# Altium PCB spd150.PcbDoc (part 16 of 16)
Units mm, origin at the board's own origin, x right, y up, seen from the top; angles counter-clockwise.
Board outline 217.35 x 147.5 mm, 10 copper layers (TOP, LYR2-PLN, LYR3-SIG, LYR4-SIG, LYR5-PLN, LYR6-PLN, LYR7-SIG, LYR8-SIG, LYR9-PLN, BOTTOM), stack 2.134 mm thick; 1065 components, 972 nets, 4226 pads, 2810 vias.
Unrouted connection lines stored in the file: 16.
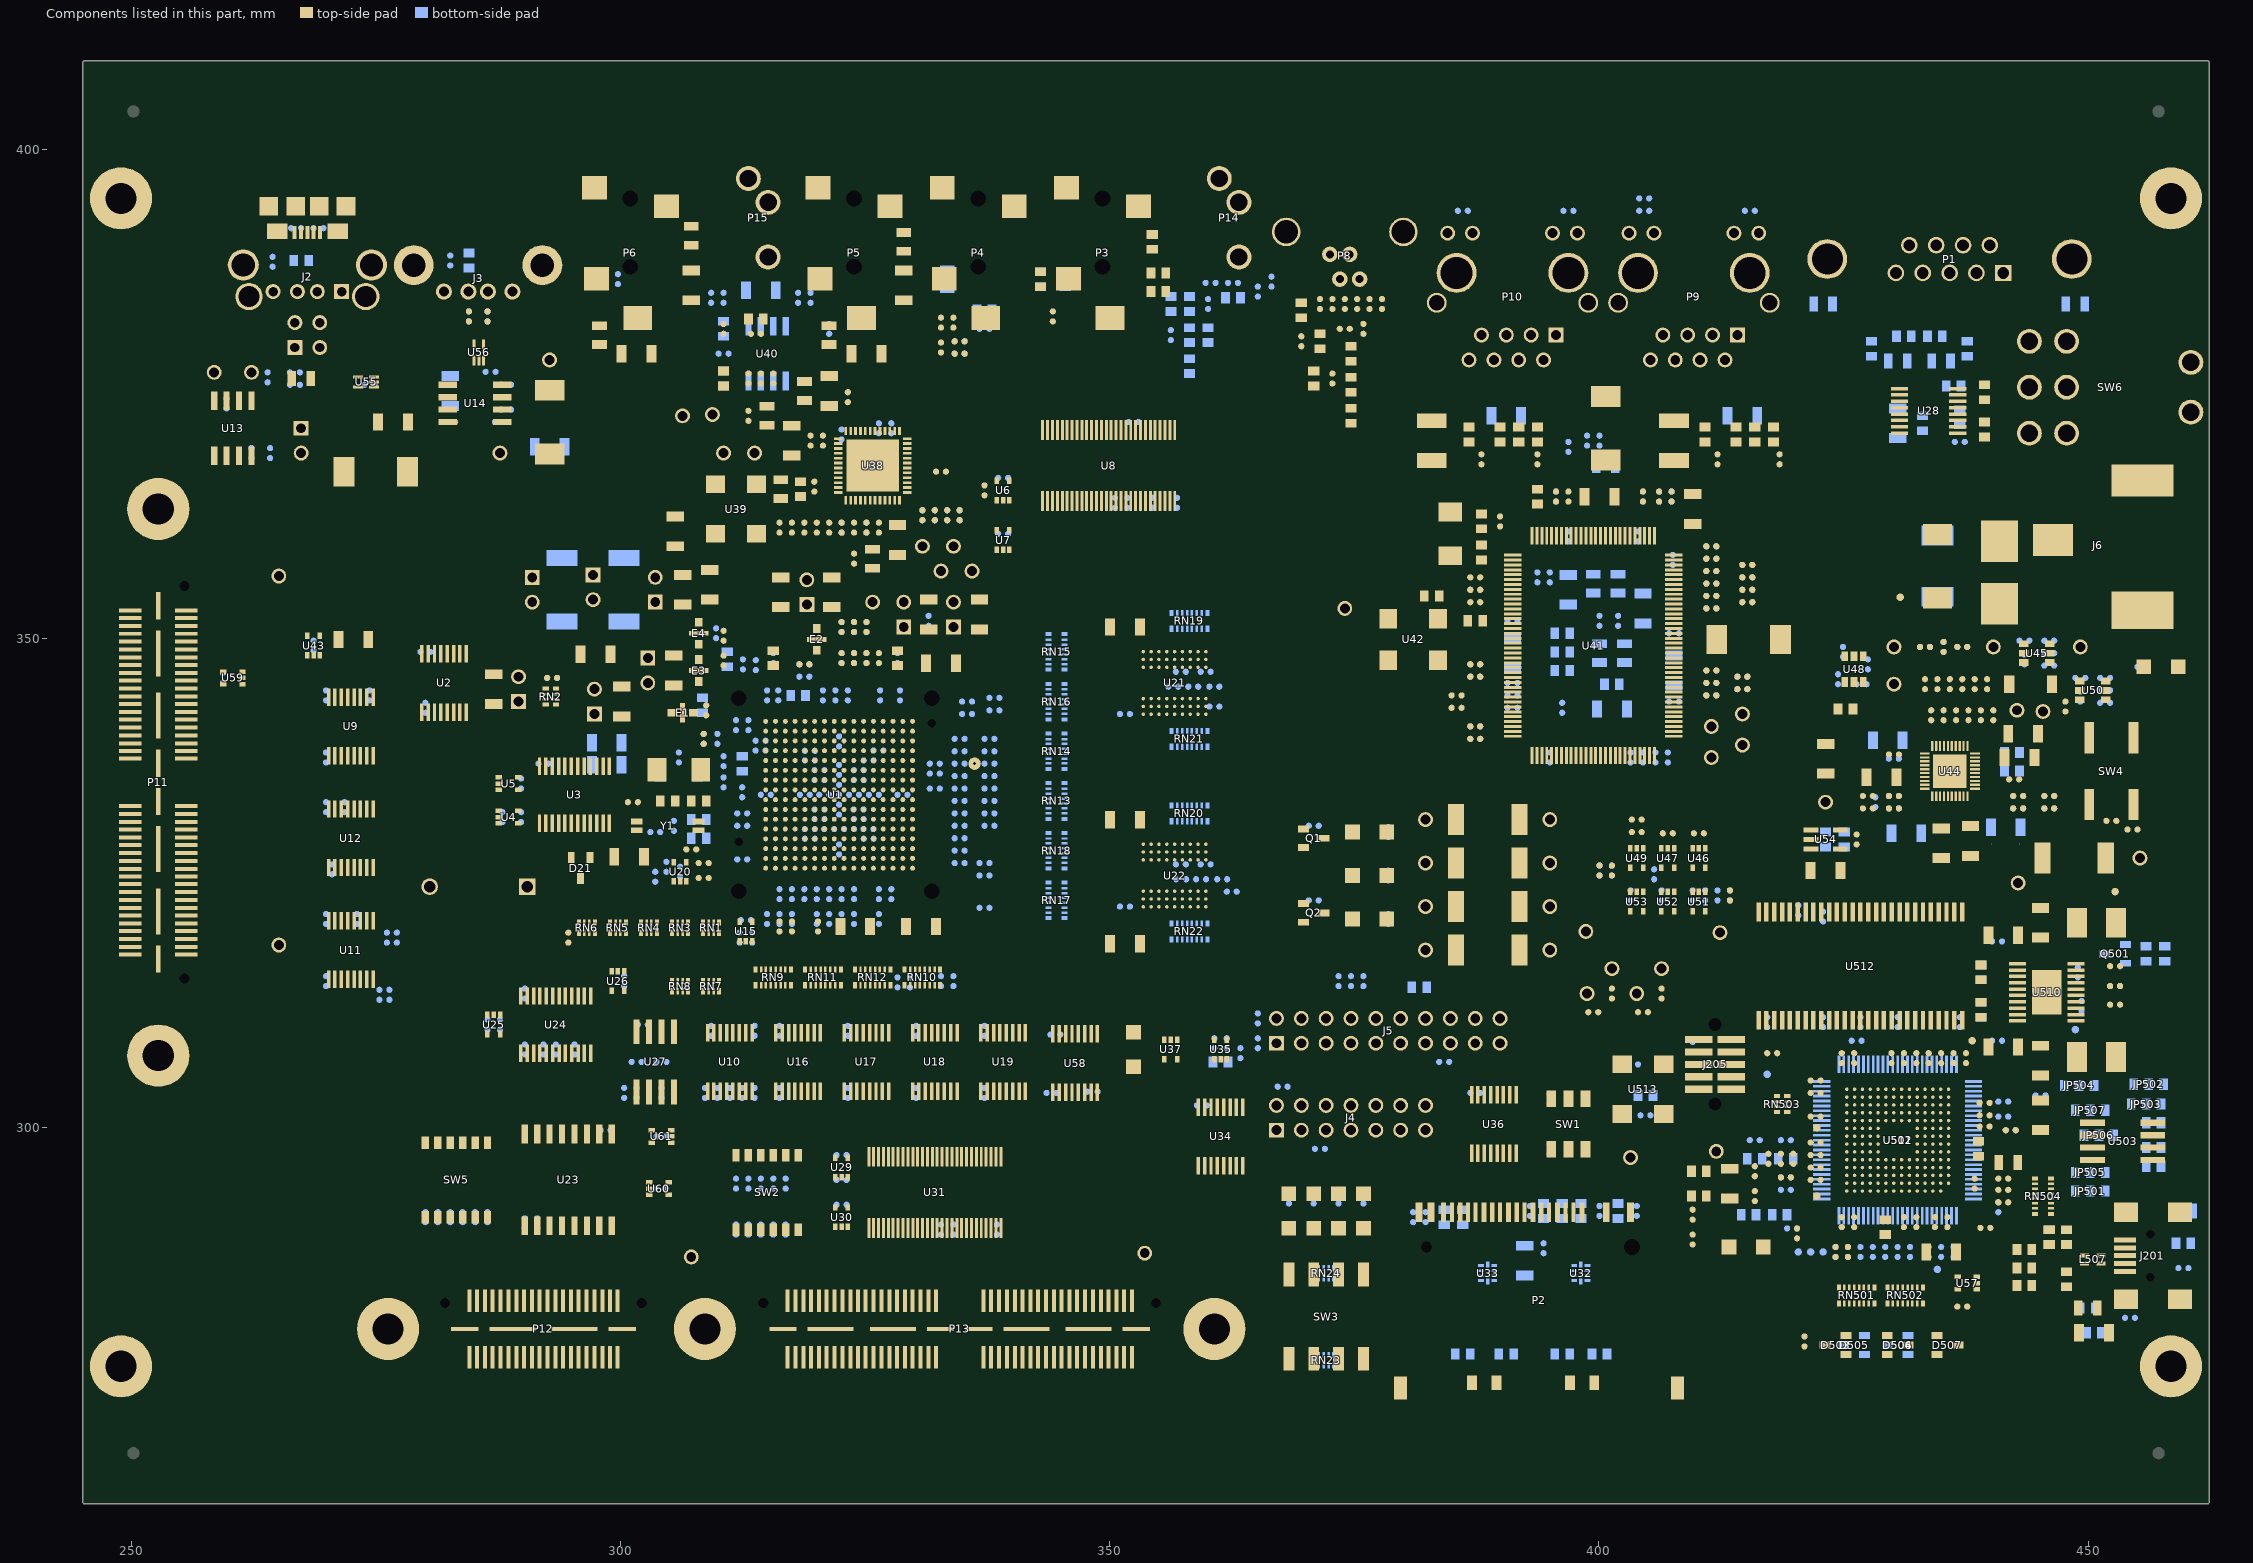
[diagram p24: the components of this part, seen from the top]

## Silkscreen, mask and mechanical layers (free items; w line width, h text height) (continued)
ASSY: (continued)
  text "SPECTRUM DIGITAL" at 741.68,76.2 h4.44
  text "SPECTRUM DIGITAL" at 741.68,76.2 h4.44
  text "CHECKED" at 666.75,74.295 h2.54
  text "DRAFTING" at 666.75,67.945 h2.54
  text "ionDesign" at 698.5,67.31 h2.54
  text "ionDesign" at 698.5,67.31 h2.54
  text "ASSEMBLY DRAWING," at 731.52,62.23 h3.81
  text "ASSEMBLY DRAWING," at 731.52,62.23 h3.81
  text "TURNING CONCEPT" at 825.5,62.23 h1.91
  text "DATE" at 589.915,61.595 h2.54
  text "09/10/09" at 626.745,61.595 h2.54
  text "09/10/09" at 626.745,61.595 h2.54
  text "ENGR" at 666.75,61.595 h2.54
  text "INTO REALITY" at 828.04,58.42 h1.91
  text "DESIGN ENGR" at 589.915,55.245 h2.54
  text "4410 SHOALWOOD" at 828.04,55.245 h1.4
  text "AUSTIN,TEXAS 78756" at 824.865,52.705 h1.4
  text "OMAP-L137 EVM" at 731.52,52.07 h3.81
  text "OMAP-L137 EVM" at 731.52,52.07 h3.81
  text "(512)260-5778" at 829.31,50.165 h1.4
  text "PROJECT ENGR" at 589.915,48.895 h2.54
  text "ENGR MGR" at 589.915,42.545 h2.54
  text "NONE" at 751.84,42.545 h2.54
  text "NONE" at 751.84,42.545 h2.54
  text "511340 REV F" at 794.385,38.735 h3.81
  text "NEXT ASSEMBLY" at 608.33,36.195 h2.54
  text "1 OF 1" at 751.84,36.195 h2.54
NCLEGEND-1-10:
  circle w0.025: c524.256,387.541 r1.905
  circle w0.025: c524.256,393.255 r1.905
  circle w0.025: c524.256,398.97 r1.905
  circle w0.025: c524.256,404.685 r1.905
  circle w0.025: c524.256,410.4 r1.905
  circle w0.025: c524.256,416.115 r1.905
  lines w0.025: 515.239,390.398 610.235,390.398 ; 515.239,396.113 610.235,396.113 ; 515.239,401.828 610.235,401.828 ; 515.239,407.543 610.235,407.543 ; 515.239,413.258 610.235,413.258 ; 515.239,418.973 610.235,418.973 ; 515.239,424.688 610.235,424.688 ; 515.239,430.403 610.235,430.403 ; 515.239,436.118 610.235,436.118 ; 515.239,441.833 610.235,441.833 ; 515.239,447.548 610.235,447.548 ; 515.239,453.263 610.235,453.263 ; 515.239,458.978 610.235,458.978 ; 515.239,464.693 610.235,464.693 ; 515.239,470.408 610.235,470.408 ; 515.239,476.123 610.235,476.123 ; 515.239,481.838 610.235,481.838 ; 515.239,487.553 610.235,487.553 ; 515.239,493.268 610.235,493.268 ; 515.239,498.983 610.235,498.983 ; 515.239,502.412 610.235,502.412 ; 515.239,505.841 610.235,505.841 ; 533.273,384.683 533.273,502.412 ; 564.007,384.683 564.007,502.412 ; 594.741,384.683 594.741,502.412 ; 515.239,384.683 610.235,384.683 610.235,512.191 515.239,512.191 515.239,384.683
  text "DRILL CHART: TOP to BOTTOM" at 529.717,507.428 h3.17
  text "ALL UNITS ARE IN MILS" at 546.735,502.983 h1.91
  text "FIGURE" at 519.684,499.554 h1.91
  text "SIZE" at 545.592,499.554 h1.91
  text "PLATING" at 574.04,499.554 h1.91
  text "QTY" at 600.202,499.554 h1.91
  text "8.0" at 546.354,495.173 h1.91
  text "PLATED" at 574.802,495.173 h1.91
  text "651" at 600.202,495.173 h1.91
  text "10.0" at 545.592,489.458 h1.91
  text "PLATED" at 574.802,489.458 h1.91
  text "141" at 600.202,489.458 h1.91
  text "12.0" at 545.592,483.743 h1.91
  text "PLATED" at 574.802,483.743 h1.91
  text "2019" at 599.44,483.743 h1.91
  text "32.0" at 545.592,478.028 h1.91
  text "PLATED" at 574.802,478.028 h1.91
  text "4" at 601.726,478.028 h1.91
  text "38.0" at 545.592,472.313 h1.91
  text "PLATED" at 574.802,472.313 h1.91
  text "8" at 601.726,472.313 h1.91
  text "40.0" at 545.592,466.598 h1.91
  text "PLATED" at 574.802,466.598 h1.91
  text "129" at 600.202,466.598 h1.91
  text "47.0" at 545.592,460.883 h1.91
  text "PLATED" at 574.802,460.883 h1.91
  text "11" at 600.964,460.883 h1.91
  text "63.0" at 545.592,455.168 h1.91
  text "PLATED" at 574.802,455.168 h1.91
  text "4" at 601.726,455.168 h1.91
  text "70.0" at 545.592,449.453 h1.91
  text "PLATED" at 574.802,449.453 h1.91
  text "14" at 600.964,449.453 h1.91
  text "86.0" at 545.592,443.738 h1.91
  text "PLATED" at 574.802,443.738 h1.91
  text "2" at 601.726,443.738 h1.91
  text "93.0" at 545.592,438.023 h1.91
  text "PLATED" at 574.802,438.023 h1.91
  text "2" at 601.726,438.023 h1.91
  text "95.0" at 545.592,432.308 h1.91
  text "PLATED" at 574.802,432.308 h1.91
  text "4" at 601.726,432.308 h1.91
  text "125.0" at 544.83,426.593 h1.91
  text "PLATED" at 574.802,426.593 h1.91
  text "11" at 600.964,426.593 h1.91
  text "128.0" at 544.83,420.878 h1.91
  text "PLATED" at 574.802,420.878 h1.91
  text "4" at 601.726,420.878 h1.91
  text "34.0" at 545.592,415.163 h1.91
  text "NON-PLATED" at 571.754,415.163 h1.91
  text "2" at 601.726,415.163 h1.91
  text "35.0" at 545.592,409.448 h1.91
  text "NON-PLATED" at 571.754,409.448 h1.91
  text "2" at 601.726,409.448 h1.91
  text "41.0" at 545.592,403.733 h1.91
  text "NON-PLATED" at 571.754,403.733 h1.91
  text "6" at 601.726,403.733 h1.91
  text "43.0" at 545.592,398.018 h1.91
  text "NON-PLATED" at 571.754,398.018 h1.91
  text "1" at 601.726,398.018 h1.91
  text "53.0" at 545.592,392.303 h1.91
  text "NON-PLATED" at 571.754,392.303 h1.91
  text "2" at 601.726,392.303 h1.91
  text "63.0" at 545.592,386.588 h1.91
  text "NON-PLATED" at 571.754,386.588 h1.91
  text "13" at 600.964,386.588 h1.91
FAB:
  drawing of 4268 lines, arcs and shapes, not listed
  text "V-SCORE DETAIL" at 700.278,354.965 h6.35
  text "TSLK" at 745.49,312.42 h3.81
  text "TSLK" at 745.49,312.42 h3.81
  text "SMC" at 747.141,298.704 h3.81
  text "SMC" at 747.141,298.704 h3.81
  text "LAYER 1" at 739.013,285.369 h3.81
  text "LAYER 2" at 739.14,271.399 h3.81
  text "LAYER 3" at 739.14,256.54 h3.81
  text "LAYER 3" at 739.14,256.54 h3.81
  text "LAYER 4" at 739.14,242.57 h3.81
  text "LAYER 4" at 739.14,242.57 h3.81
  text "LAYER 5" at 739.14,228.6 h3.81
  text "LAYER 5" at 739.14,228.6 h3.81
  text "LAYER 6" at 739.14,214.63 h3.81
  text "LAYER 6" at 739.14,214.63 h3.81
  text "9.  IMPEDENCE CONTROL DIFF PAIRS TO 90 OHMS, 6 MIL LINE WITH 5 MIL SPACE." at 43.688,208.28 h3.81
  text "IMPEDENCE CONTROL DIFF PAIRS TO 100 OHMS, 5.2 MIL LINE WITH 4.8 IL SPACE." at 57.912,201.041 h3.81
  text "LAYER 7" at 739.14,200.66 h3.81
  text "IMPEDENCE CONTROL SINGLE ENDED 5 MIL LINES TO 50 OHMS." at 58.166,193.802 h3.81
  text "FAB HOUSE CAN MODIFY TO MEET REQUIRED IMPEDENCES." at 57.912,187.325 h3.81
  text "LAYER 8" at 739.14,186.69 h3.81
  text "8.  SURFACE FINISH SHALL BE IMMERSION GOLD." at 43.561,176.276 h3.81
  text "TSLK" at 235.903,173.253 h3.81
  text "LAYER 9" at 739.14,172.72 h3.81
  text "7.  FINISHED BOARD SHALL BE FREE OF BURRS ON EDGES." at 42.545,164.465 h3.81
  text "LAYER 10" at 739.14,158.75 h3.81
  text "6.  DRC'S MUST BE RUN ON THE GERBERS BEFORE BUILDING BOARDS UNLESS PRIOR" at 42.545,153.67 h3.81
  text "APPROVAL IS GIVEN IN WRITING." at 56.515,146.05 h3.81
  text "SMS" at 745.49,144.78 h3.81
  text "SMS" at 745.49,144.78 h3.81
  text "5.  PLATED THRU HOLE SIZE TOLERANCES SHALL BE +/- .003 INCH." at 42.545,134.62 h3.81
  text "BSLK" at 744.855,130.81 h3.81
  text "BSLK" at 744.855,130.81 h3.81
  text "UNPLATED THRU HOLE SIZE TOLERANCES SHALL BE +/- .002 INCH." at 56.515,127 h3.81
  text "4.  SOLDERMASK ON BOTH SIDES OF THE BOARD SHALL BE S.M.O.B.C., LPI, COLOR GREEN." at 41.91,115.57 h3.81
  text "LAYER SCHEDULE" at 704.85,111.125 h6.35
  text "LAYER SCHEDULE" at 704.85,111.125 h6.35
  text "3.  MINIMUM TRACE AND SPACE SHALL BE .004 OF AN INCH." at 41.91,104.14 h3.81
  text "SCALE: NONE" at 732.79,103.505 h3.81
  text "SCALE: NONE" at 732.79,103.505 h3.81
  text "2.  COPPER PLATED SURFACE CONDUCTORS SHALL BE THE EQUIVALENT OF 1 OZ. COPPER" at 41.91,92.71 h3.81
  text "AFTER PLATING.  PLANE LAYERS SHALL BE 1 OZ. COPPER.  AVERAGE COPPER ON" at 55.88,85.09 h3.81
  text "APPROVED" at 666.75,80.645 h2.54
  text "THE WALL OF THE PLATED HOLE SHALL BE .001 INCH." at 55.88,77.47 h3.81
  text "SPECTRUM DIGITAL" at 741.68,76.2 h4.44
  text "SPECTRUM DIGITAL" at 741.68,76.2 h4.44
  text "CHECKED" at 666.75,74.295 h2.54
  text "DRAFTING" at 666.75,67.945 h2.54
  text "ionDesign" at 698.5,67.31 h2.54
  text "ionDesign" at 698.5,67.31 h2.54
  text "1   TOTAL BOARD THICKNESS SHALL BE .062 +/- .007 INCHES." at 41.275,66.04 h3.81
  text "FABRICATION DRAWING," at 731.52,62.23 h3.81
  text "FABRICATION DRAWING," at 731.52,62.23 h3.81
  text "TURNING CONCEPT" at 825.5,62.23 h1.91
  text "DATE" at 589.915,61.595 h2.54
  text "09/10/09" at 626.745,61.595 h2.54
  text "09/10/09" at 626.745,61.595 h2.54
  text "ENGR" at 666.75,61.595 h2.54
  text "ALL MATERIAL SHALL BE NEMA GRADE FR-4 OR EQUIVALENT. (Tg>=170 DEG. C)" at 55.88,58.42 h3.81
  text "INTO REALITY" at 828.04,58.42 h1.91
  text "DESIGN ENGR" at 589.915,55.245 h2.54
  text "4410 SHOALWOOD" at 828.04,55.245 h1.4
  text "AUSTIN,TEXAS 78756" at 824.865,52.705 h1.4
  text "OMAP-L137 EVM" at 731.52,52.07 h3.81
  text "OMAP-L137 EVM" at 731.52,52.07 h3.81
  text "(512)260-5778" at 829.31,50.165 h1.4
  text "PROJECT ENGR" at 589.915,48.895 h2.54
  text "NOTES: UNLESS OTHERWISE SPECIFIED" at 45.085,43.18 h4.57
  text "ENGR MGR" at 589.915,42.545 h2.54
  text "NONE" at 751.84,42.545 h2.54
  text "511341 REV F" at 794.385,38.735 h3.81
  text "NEXT ASSEMBLY" at 608.33,36.195 h2.54
  text "1 OF 1" at 751.84,36.195 h2.54
FAB2:
  drawing of 2914 lines, arcs and shapes, not listed
  text "CUSTOMER NAME" at 754.38,76.2 h4.44
  text "CUSTOMER NAME" at 754.38,76.2 h4.44
  text "TURNING CONCEPT" at 825.5,62.23 h1.91
  text "FABRICATION DRAWING," at 731.52,60.96 h3.81
  text "FABRICATION DRAWING," at 731.52,60.96 h3.81
  text "INTO REALITY" at 828.04,58.42 h1.91
  text "4410 SHOALWOOD" at 828.04,55.245 h1.4
  text "AUSTIN,TEXAS 78756" at 824.865,52.705 h1.4
  text "BOARD NAME" at 733.425,51.435 h3.81
  text "BOARD NAME" at 733.425,51.435 h3.81
  text "(512)260-5778" at 829.31,50.165 h1.4
  text "NONE" at 751.84,42.545 h2.54
  text "PCB NUMBER" at 800.735,38.354 h3.81
  text "PCB NUMBER" at 800.735,38.354 h3.81
  text "2 OF 2" at 751.84,36.195 h2.54
  text "2 OF 2" at 751.84,36.195 h2.54
ASSY2:
  drawing of 2914 lines, arcs and shapes, not listed
  text "CUSTOMER NAME" at 754.38,76.2 h4.44
  text "CUSTOMER NAME" at 754.38,76.2 h4.44
  text "TURNING CONCEPT" at 825.5,62.23 h1.91
  text "ASSEMBLY DRAWING," at 731.52,60.96 h3.81
  text "ASSEMBLY DRAWING," at 731.52,60.96 h3.81
  text "INTO REALITY" at 828.04,58.42 h1.91
  text "4410 SHOALWOOD" at 828.04,55.245 h1.4
  text "AUSTIN,TEXAS 78756" at 824.865,52.705 h1.4
  text "BOARD NAME" at 733.425,51.435 h3.81
  text "BOARD NAME" at 733.425,51.435 h3.81
  text "(512)260-5778" at 829.31,50.165 h1.4
  text "ASSEMBLY SOLDER SIDE" at 378.714,46.482 h6.35
  text "ASSEMBLY SOLDER SIDE" at 378.714,46.482 h6.35
  text "NONE" at 751.84,42.545 h2.54
  text "NONE" at 751.84,42.545 h2.54
  text "ASSY NUMBER" at 797.433,38.481 h3.81
  text "ASSY NUMBER" at 797.433,38.481 h3.81
  text "2 OF 2" at 751.84,36.195 h2.54
  text "2 OF 2" at 751.84,36.195 h2.54
TITLE_BLOCK:
  drawing of 2088 lines, arcs and shapes, not listed
  text "TURNING CONCEPT" at 315.722,206.629 h1.91
  text "SPECTRUM DIGITAL" at 349.25,205.74 h2.54
  text "SPECTRUM DIGITAL" at 349.25,205.74 h2.54
  text "INTO REALITY" at 317.754,203.2 h1.91
  text "OMPA-L137 EVM" at 367.03,198.755 h1.91
  text "OMPA-L137 EVM" at 367.03,198.755 h1.91
  text "4410 SHOALWOOD" at 319.786,197.104 h1.4
  text "AUSTIN,TEXAS 78756" at 316.484,194.437 h1.4
  text "(512)260-5778" at 319.786,191.897 h1.4
  text "DATE:" at 349.25,191.643 h2.54
  text "DATE:" at 349.25,191.643 h2.54
  text "09/10/09" at 363.855,191.643 h2.54
  text "09/10/09" at 363.855,191.643 h2.54
DIMENSION:
  lines w0.025: 236.22,270.51 238.76,271.78 ; 236.22,270.51 236.068,270.51 236.22,270.51 ; 236.22,270.51 238.76,271.78 ; 238.252,389.255 242.697,396.113 ; 238.252,389.255 234.671,389.255 238.252,389.255 ; 238.252,389.255 242.697,396.113 ; 238.76,271.78 242.57,271.78 238.76,271.78 ; 242.697,396.113 261.366,396.113 242.697,396.113 ; 245.11,426.72 248.92,427.355 ; 245.11,426.72 248.92,426.085 ; 245.11,426.72 345.465,426.72 245.11,426.72 ; 245.11,426.72 248.92,427.355 ; 245.11,426.72 248.92,426.085 ; 248.92,426.085 248.92,427.355 ; 248.92,426.085 248.92,427.355 ; 458.47,426.085 462.28,426.72 ; 458.47,426.085 458.47,427.355 ; 458.47,426.085 462.28,426.72 ; 458.47,426.085 458.47,427.355 ; 458.47,427.355 462.28,426.72 ; 458.47,427.355 462.28,426.72 ; 462.28,426.72 363.195,426.72 462.28,426.72 ; 484.505,265.43 485.14,261.62 ; 484.505,265.43 485.775,265.43 ; 484.505,265.43 485.14,261.62 ; 484.505,265.43 485.775,265.43 ; 484.505,405.13 485.14,408.94 ; 484.505,405.13 485.775,405.13 ; 484.505,405.13 485.14,408.94 ; 484.505,405.13 485.775,405.13 ; 485.14,261.62 485.775,265.43 ; 485.14,261.62 485.14,328.955 485.14,261.62 ; 485.14,261.62 485.775,265.43 ; 485.14,408.94 485.775,405.13 ; 485.14,408.94 485.14,346.685 485.14,408.94 ; 485.14,408.94 485.775,405.13 ; 235.56,398.78 242.57,398.78 235.56,398.78 ; 235.56,408.94 242.57,408.94 235.56,408.94 ; 235.687,275.59 246.38,275.59 235.687,275.59 ; 236.068,261.62 242.57,261.62 236.068,261.62 ; 245.11,257.658 245.11,259.08 245.11,257.658 ; 245.11,411.48 245.11,429.26 245.11,411.48 ; 248.92,257.277 248.92,273.05 248.92,257.277 ; 263.906,401.32 263.906,412.775 263.906,401.32 ; 272.161,401.32 272.161,412.648 272.161,401.32 ; 462.28,411.48 462.28,429.26 462.28,411.48 ; 464.82,261.62 487.68,261.62 464.82,261.62 ; 464.82,408.94 487.68,408.94 464.82,408.94
  text "8.550" at 347.472,425.45 h2.54
  text "8.550" at 347.472,425.45 h2.54
  text ".590" at 265.176,414.782 h2.54 r90
  text ".590" at 265.176,414.782 h2.54 r90
  text ".915" at 273.431,414.655 h2.54 r90
  text ".915" at 273.431,414.655 h2.54 r90
  text "5.250" at 219.837,407.67 h2.54
  text "5.250" at 219.837,407.67 h2.54
  text "BREAK OFF TAB" at 337.82,402.59 h2.54
  text "(VSCORE)" at 194.945,397.637 h2.54
  text "4.850" at 219.837,397.51 h2.54
  text "4.850" at 219.837,397.51 h2.54
  text "4.745" at 218.948,387.985 h2.54
  text "4.745" at 218.948,387.985 h2.54
  text "5.800" at 486.41,330.962 h2.54 r90
  text "5.800" at 486.41,330.962 h2.54 r90
  text "0" at 231.14,274.32 h2.54
  text "0" at 231.14,274.32 h2.54
  text "(VSCORE)" at 198.882,269.367 h2.54
  text ".150" at 223.139,269.24 h2.54
  text ".150" at 223.139,269.24 h2.54
  text "BREAK OFF TAB" at 337.82,265.43 h2.54
  text ".550" at 223.139,260.35 h2.54
  text ".550" at 223.139,260.35 h2.54
  text "0" at 247.65,252.73 h2.54
  text "0" at 247.65,252.73 h2.54
  text ".150" at 246.38,244.729 h2.54 r90
  text ".150" at 246.38,244.729 h2.54 r90
CHECK PLOT ONLY:
  text "CHECK PLOT ONLY" at 287.147,225.298 h6.35
DESIGN_NOTES:
  text "1. All board outlines shall be .020 in width." at 41.91,556.26 h3.81
  text "2. All other lines shall be .012 in width." at 41.91,549.91 h3.81
  text "3. Note and misc. text shall be text block 10." at 41.91,542.29 h3.81
  text "4. View and description text shall be text block 16." at 41.91,534.67 h3.81
  text "5. Make sure that there is not any double dimensioning," at 41.91,528.32 h3.81
  text "label (REF) dim when needed." at 52.07,520.7 h3.81
  text "6. Check all notes to make sure that they apply and are correct." at 41.91,513.08 h3.81
  text "7. Make sure that layer stack-up is correct." at 41.91,505.46 h3.81
Mechanical 13:
  lines w0.025: 3.81,8.89 908.685,8.89 908.685,601.98 3.81,601.98 3.81,8.89
DRAWING_ORIGIN:
  lines w0.025: 248.285,275.59 249.555,275.59 ; 248.92,274.955 248.92,276.225
PIN_NUMBER:
  text "1" at 249.885,403.86 h0.76
  text "1" at 249.885,403.86 h0.76
  text "1" at 456.895,403.86 h0.76
  text "1" at 456.895,403.86 h0.76
  text "1" at 249.885,266.7 h0.76
  text "1" at 249.885,266.7 h0.76
  text "1" at 456.895,266.7 h0.76
  text "1" at 456.895,266.7 h0.76
ASSEMBLY_TOP:
  text "*" at 250.19,406.4 h1.02
  text "XX" at 457.2,406.4 h1.02
  text "*" at 250.19,269.24 h1.02
  text "*" at 457.2,269.24 h1.02
PLACE_BOUND_TOP:
  region: 455.93,265.43 458.47,265.43 458.47,267.97 455.93,267.97
  region: 248.92,265.43 251.46,265.43 251.46,267.97 248.92,267.97
  region: 248.92,402.59 251.46,402.59 251.46,405.13 248.92,405.13
  region: 455.93,402.59 458.47,402.59 458.47,405.13 455.93,405.13
ASSEMBLY_BOTTOM:
  text "*" at 250.19,406.4 h1.02
  text "*" at 457.2,406.4 h1.02
  text "*" at 250.19,269.24 h1.02
  text "*" at 457.2,269.24 h1.02

## Text inside footprints (layer, text, board x,y; h text height)
C1: PIN_NUMBER "1" at 279.324,348.615 h0.51 r180; PIN_NUMBER "2" at 280.34,348.615 h0.51 r180; ASSEMBLY_BOTTOM "0.1uF" at 280.035,348.615 h0.64 r180; ASSEMBLY_BOTTOM "TOLERANCE" at 280.035,351.155 h0.64 r180; ASSEMBLY_BOTTOM "USERPART#" at 280.035,352.425 h0.64 r180; SYMBOL_PART_DIM "PAD 35X32 OV" at 276.911,353.39 h0.64 r180; SYMBOL_PART_DIM "C402-35X32" at 276.911,352.12 h0.64 r180; SYMBOL_PART_DIM "0" at 279.832,350.749 h0.64 r180; SYMBOL_PART_DIM "0" at 277.698,348.945 h0.64 r180
C2: PIN_NUMBER "1" at 291.389,337.185 h0.51 r180; PIN_NUMBER "2" at 292.405,337.185 h0.51 r180; ASSEMBLY_BOTTOM "0.1uF" at 292.1,337.185 h0.64 r180; ASSEMBLY_BOTTOM "TOLERANCE" at 292.1,339.725 h0.64 r180; ASSEMBLY_BOTTOM "USERPART#" at 292.1,340.995 h0.64 r180; SYMBOL_PART_DIM "PAD 35X32 OV" at 288.976,341.96 h0.64 r180; SYMBOL_PART_DIM "C402-35X32" at 288.976,340.69 h0.64 r180; SYMBOL_PART_DIM "0" at 291.897,339.319 h0.64 r180; SYMBOL_PART_DIM "0" at 289.763,337.515 h0.64 r180
C3: PIN_NUMBER "1" at 289.611,332.232 h0.51 r90; PIN_NUMBER "2" at 289.611,331.216 h0.51 r90; ASSEMBLY_BOTTOM "TOLERANCE" at 292.354,331.724 h0.64 r90; ASSEMBLY_BOTTOM "USERPART#" at 293.624,331.724 h0.64 r90; SYMBOL_PART_DIM "PAD 35X32 OV" at 294.589,334.848 h0.64 r90; SYMBOL_PART_DIM "C402-35X32" at 293.319,334.848 h0.64 r90; SYMBOL_PART_DIM "0" at 291.948,331.927 h0.64 r90; SYMBOL_PART_DIM "0" at 290.144,334.061 h0.64 r90
C4: PIN_NUMBER "1" at 289.611,335.661 h0.51 r90; PIN_NUMBER "2" at 289.611,334.645 h0.51 r90; ASSEMBLY_BOTTOM "TOLERANCE" at 292.354,335.153 h0.64 r90; ASSEMBLY_BOTTOM "USERPART#" at 293.624,335.153 h0.64 r90; SYMBOL_PART_DIM "PAD 35X32 OV" at 294.589,338.277 h0.64 r90; SYMBOL_PART_DIM "C402-35X32" at 293.319,338.277 h0.64 r90; SYMBOL_PART_DIM "0" at 291.948,335.356 h0.64 r90; SYMBOL_PART_DIM "0" at 290.144,337.49 h0.64 r90
C5: PIN_NUMBER "1" at 338.379,360.68 h0.51 r180; PIN_NUMBER "2" at 339.395,360.68 h0.51 r180; ASSEMBLY_BOTTOM "0.1uF" at 339.09,360.68 h0.64 r180; ASSEMBLY_BOTTOM "TOLERANCE" at 339.09,363.22 h0.64 r180; ASSEMBLY_BOTTOM "USERPART#" at 339.09,364.49 h0.64 r180; SYMBOL_PART_DIM "PAD 35X32 OV" at 335.966,365.455 h0.64 r180; SYMBOL_PART_DIM "C402-35X32" at 335.966,364.185 h0.64 r180; SYMBOL_PART_DIM "0" at 338.887,362.814 h0.64 r180; SYMBOL_PART_DIM "0" at 336.753,361.01 h0.64 r180
C6: PIN_NUMBER "1" at 338.379,366.395 h0.51 r180; PIN_NUMBER "2" at 339.395,366.395 h0.51 r180; ASSEMBLY_BOTTOM "0.1uF" at 339.09,366.395 h0.64 r180; ASSEMBLY_BOTTOM "TOLERANCE" at 339.09,368.935 h0.64 r180; ASSEMBLY_BOTTOM "USERPART#" at 339.09,370.205 h0.64 r180; SYMBOL_PART_DIM "PAD 35X32 OV" at 335.966,371.17 h0.64 r180; SYMBOL_PART_DIM "C402-35X32" at 335.966,369.9 h0.64 r180; SYMBOL_PART_DIM "0" at 338.887,368.529 h0.64 r180; SYMBOL_PART_DIM "0" at 336.753,366.725 h0.64 r180
C7: PIN_NUMBER "1" at 350.317,363.347 h0.51 r270; PIN_NUMBER "2" at 350.317,364.363 h0.51 r270; ASSEMBLY_BOTTOM "0.1uF" at 350.52,363.855 h0.64 r270; ASSEMBLY_BOTTOM "TOLERANCE" at 347.98,363.855 h0.64 r270; ASSEMBLY_BOTTOM "USERPART#" at 346.71,363.855 h0.64 r270; SYMBOL_PART_DIM "PAD 35X32 OV" at 345.745,360.731 h0.64 r270; SYMBOL_PART_DIM "C402-35X32" at 347.015,360.731 h0.64 r270; SYMBOL_PART_DIM "0" at 348.386,363.652 h0.64 r270; SYMBOL_PART_DIM "0" at 350.19,361.518 h0.64 r270
C8: PIN_NUMBER "1" at 351.587,363.347 h0.51 r270; PIN_NUMBER "2" at 351.587,364.363 h0.51 r270; ASSEMBLY_BOTTOM "TOLERANCE" at 349.25,363.855 h0.64 r270; ASSEMBLY_BOTTOM "USERPART#" at 347.98,363.855 h0.64 r270; SYMBOL_PART_DIM "PAD 35X32 OV" at 347.015,360.731 h0.64 r270; SYMBOL_PART_DIM "C402-35X32" at 348.285,360.731 h0.64 r270; SYMBOL_PART_DIM "0" at 349.656,363.652 h0.64 r270; SYMBOL_PART_DIM "0" at 351.46,361.518 h0.64 r270
C9: PIN_NUMBER "1" at 269.672,344.678 h0.51 r90; PIN_NUMBER "2" at 269.672,343.662 h0.51 r90; ASSEMBLY_BOTTOM "0.1uF" at 269.875,344.17 h0.64 r90; ASSEMBLY_BOTTOM "TOLERANCE" at 272.415,344.17 h0.64 r90; ASSEMBLY_BOTTOM "USERPART#" at 273.685,344.17 h0.64 r90; SYMBOL_PART_DIM "PAD 35X32 OV" at 274.65,347.294 h0.64 r90; SYMBOL_PART_DIM "C402-35X32" at 273.38,347.294 h0.64 r90; SYMBOL_PART_DIM "0" at 272.009,344.373 h0.64 r90; SYMBOL_PART_DIM "0" at 270.205,346.507 h0.64 r90
C10: PIN_NUMBER "1" at 309.042,310.388 h0.51 r90; PIN_NUMBER "2" at 309.042,309.372 h0.51 r90; ASSEMBLY_BOTTOM "0.1uF" at 309.245,309.88 h0.64 r90; ASSEMBLY_BOTTOM "TOLERANCE" at 311.785,309.88 h0.64 r90; ASSEMBLY_BOTTOM "USERPART#" at 313.055,309.88 h0.64 r90; SYMBOL_PART_DIM "PAD 35X32 OV" at 314.02,313.004 h0.64 r90; SYMBOL_PART_DIM "C402-35X32" at 312.75,313.004 h0.64 r90; SYMBOL_PART_DIM "0" at 311.379,310.083 h0.64 r90; SYMBOL_PART_DIM "0" at 309.575,312.217 h0.64 r90
C11: PIN_NUMBER "1" at 269.672,321.818 h0.51 r90; PIN_NUMBER "2" at 269.672,320.802 h0.51 r90; ASSEMBLY_BOTTOM "0.1uF" at 269.875,321.31 h0.64 r90; ASSEMBLY_BOTTOM "TOLERANCE" at 272.415,321.31 h0.64 r90; ASSEMBLY_BOTTOM "USERPART#" at 273.685,321.31 h0.64 r90; SYMBOL_PART_DIM "PAD 35X32 OV" at 274.65,324.434 h0.64 r90; SYMBOL_PART_DIM "C402-35X32" at 273.38,324.434 h0.64 r90; SYMBOL_PART_DIM "0" at 272.009,321.513 h0.64 r90; SYMBOL_PART_DIM "0" at 270.205,323.647 h0.64 r90
C12: PIN_NUMBER "1" at 269.672,333.248 h0.51 r90; PIN_NUMBER "2" at 269.672,332.232 h0.51 r90; ASSEMBLY_BOTTOM "0.1uF" at 269.875,332.74 h0.64 r90; ASSEMBLY_BOTTOM "TOLERANCE" at 272.415,332.74 h0.64 r90; ASSEMBLY_BOTTOM "USERPART#" at 273.685,332.74 h0.64 r90; SYMBOL_PART_DIM "PAD 35X32 OV" at 274.65,335.864 h0.64 r90; SYMBOL_PART_DIM "C402-35X32" at 273.38,335.864 h0.64 r90; SYMBOL_PART_DIM "0" at 272.009,332.943 h0.64 r90; SYMBOL_PART_DIM "0" at 270.205,335.077 h0.64 r90
C13: PIN_NUMBER "1" at 293.853,369.57 h1.02; PIN_NUMBER "2" at 290.805,369.57 h1.02; SYMB_DIM "PAD 40X70OV" at 285.471,363.855 h1.02; SYMB_DIM "SM  48X78" at 287.553,361.95 h1.02; SYMB_DIM "SP  40X70OV" at 285.471,360.045 h1.02; SYMB_DIM "C1206-40X70" at 285.725,374.777 h1.02; SYMB_DIM "0" at 293.37,365.76 h1.02; SYMB_DIM "0" at 297.18,368.935 h1.02; ASSEMBLY_BOTTOM "10uF" at 293.624,369.189 h1.02; ASSEMBLY_BOTTOM "X" at 292.735,369.189 h1.02; ASSEMBLY_BOTTOM "X" at 291.719,369.189 h1.02; ASSEMBLY_BOTTOM "+" at 295.656,369.189 h1.02; Bottom Overlay "+" at 295.529,370.586 h0.89
C14: PIN_NUMBER "1" at 274.803,372.11 h1.02; PIN_NUMBER "2" at 277.851,372.11 h1.02; Top Overlay "+" at 273.431,372.237 h0.89; ASSEMBLY_TOP "6.8uF" at 275.844,371.729 h1.02; ASSEMBLY_TOP "X" at 276.733,371.729 h1.02; ASSEMBLY_TOP "X" at 277.749,371.729 h1.02; ASSEMBLY_TOP "+" at 273.812,372.999 h1.02; SYMB_DIM "PAD 40X70OV" at 275.057,366.395 h1.02; SYMB_DIM "SM  48X78" at 274.599,364.49 h1.02; SYMB_DIM "SP  40X70OV" at 275.057,362.585 h1.02; SYMB_DIM "C1206-40X70" at 274.803,377.317 h1.02; SYMB_DIM "0" at 276.098,368.3 h1.02; SYMB_DIM "0" at 272.288,371.475 h1.02
C15: PIN_NUMBER "1" at 265.989,377.19 h0.51 r180; PIN_NUMBER "2" at 267.005,377.19 h0.51 r180; ASSEMBLY_BOTTOM "0.1uF" at 266.7,377.19 h0.64 r180; ASSEMBLY_BOTTOM "TOLERANCE" at 266.7,379.73 h0.64 r180; ASSEMBLY_BOTTOM "USERPART#" at 266.7,381 h0.64 r180; SYMBOL_PART_DIM "PAD 35X32 OV" at 263.576,381.965 h0.64 r180; SYMBOL_PART_DIM "C402-35X32" at 263.576,380.695 h0.64 r180; SYMBOL_PART_DIM "0" at 266.497,379.324 h0.64 r180; SYMBOL_PART_DIM "0" at 264.363,377.52 h0.64 r180
C16: PIN_NUMBER "1" at 269.469,367.665 h1.02; PIN_NUMBER "2" at 277.724,366.395 h1.02; ASSEMBLY_TOP "100uF" at 271.907,365.252 h1.02; ASSEMBLY_TOP "X" at 273.05,365.252 h1.02; ASSEMBLY_TOP "X" at 274.32,365.252 h1.02; SYMB_DIM "PAD 84X118REC" at 267.335,359.41 h1.02; SYMB_DIM "SM  92X126REC" at 267.335,357.505 h1.02; SYMB_DIM "SP  84X118REC" at 267.335,355.6 h1.02; SYMB_DIM "C7343-84X118" at 267.335,377.19 h1.02; SYMB_DIM "0" at 274.447,361.442 h1.02; SYMB_DIM "0" at 267.208,366.522 h1.02
C17: PIN_NUMBER "1" at 308.28,340.233 h0.51 r270; PIN_NUMBER "2" at 308.28,339.217 h0.51 r270; ASSEMBLY_TOP "0.001uF" at 308.483,339.725 h0.64 r270; ASSEMBLY_TOP "TOLERANCE" at 305.943,339.725 h0.64 r270; ASSEMBLY_TOP "USERPART#" at 304.673,339.725 h0.64 r270; SYMBOL_PART_DIM "PAD 35X32 OV" at 303.708,342.849 h0.64 r270; SYMBOL_PART_DIM "C402-35X32" at 304.978,342.849 h0.64 r270; SYMBOL_PART_DIM "0" at 306.349,339.928 h0.64 r270; SYMBOL_PART_DIM "0" at 308.153,342.062 h0.64 r270
C18: PIN_NUMBER "1" at 308.28,340.233 h0.51 r90; PIN_NUMBER "2" at 308.28,339.217 h0.51 r90; ASSEMBLY_BOTTOM "0.1uF" at 308.483,339.725 h0.64 r90; ASSEMBLY_BOTTOM "TOLERANCE" at 311.023,339.725 h0.64 r90; ASSEMBLY_BOTTOM "USERPART#" at 312.293,339.725 h0.64 r90; SYMBOL_PART_DIM "PAD 35X32 OV" at 313.258,342.849 h0.64 r90; SYMBOL_PART_DIM "C402-35X32" at 311.988,342.849 h0.64 r90; SYMBOL_PART_DIM "0" at 310.617,339.928 h0.64 r90; SYMBOL_PART_DIM "0" at 308.813,342.062 h0.64 r90
C19: PIN_NUMBER "1" at 309.677,340.233 h0.51 r90; PIN_NUMBER "2" at 309.677,339.217 h0.51 r90; ASSEMBLY_BOTTOM "0.01uF" at 309.88,339.725 h0.64 r90; ASSEMBLY_BOTTOM "TOLERANCE" at 312.42,339.725 h0.64 r90; ASSEMBLY_BOTTOM "USERPART#" at 313.69,339.725 h0.64 r90; SYMBOL_PART_DIM "PAD 35X32 OV" at 314.655,342.849 h0.64 r90; SYMBOL_PART_DIM "C402-35X32" at 313.385,342.849 h0.64 r90; SYMBOL_PART_DIM "0" at 312.014,339.928 h0.64 r90; SYMBOL_PART_DIM "0" at 310.21,342.062 h0.64 r90
C20: PIN_NUMBER "1" at 312.268,337.82 h0.51 r90; PIN_NUMBER "2" at 312.268,336.296 h0.51 r90; SYMB_DIM "PAD 35X45OV" at 317.5,341.249 h1.02 r90; SYMB_DIM "SM  43X53OV" at 319.405,341.249 h1.02 r90; SYMB_DIM "SP  35X45OV" at 321.183,341.249 h1.02 r90; SYMB_DIM "C603-35X45" at 308.61,340.995 h1.02 r90; SYMB_DIM "0" at 315.849,337.693 h1.02 r90; SYMB_DIM "0" at 312.928,340.741 h1.02 r90; ASSEMBLY_BOTTOM "1uF" at 312.801,337.693 h1.02 r90; ASSEMBLY_BOTTOM "X" at 312.801,336.804 h1.02 r90; ASSEMBLY_BOTTOM "X" at 312.674,335.915 h1.02 r90
C21: PIN_NUMBER "1" at 319.075,347.345 h0.51 r180; PIN_NUMBER "2" at 318.059,347.345 h0.51 r180; ASSEMBLY_TOP "0.001uF" at 318.77,347.345 h0.64 r180; ASSEMBLY_TOP "TOLERANCE" at 318.77,349.885 h0.64 r180; ASSEMBLY_TOP "USERPART#" at 318.77,351.155 h0.64 r180; SYMBOL_PART_DIM "PAD 35X32 OV" at 321.894,352.12 h0.64 r180; SYMBOL_PART_DIM "C402-35X32" at 321.894,350.85 h0.64 r180; SYMBOL_PART_DIM "0" at 318.973,349.479 h0.64 r180; SYMBOL_PART_DIM "0" at 321.107,347.675 h0.64 r180
C22: PIN_NUMBER "1" at 319.075,347.345 h0.51; PIN_NUMBER "2" at 318.059,347.345 h0.51; ASSEMBLY_BOTTOM "0.1uF" at 318.77,347.345 h0.64; ASSEMBLY_BOTTOM "TOLERANCE" at 318.77,344.805 h0.64; ASSEMBLY_BOTTOM "USERPART#" at 318.77,343.535 h0.64; SYMBOL_PART_DIM "PAD 35X32 OV" at 321.894,342.57 h0.64; SYMBOL_PART_DIM "C402-35X32" at 321.894,343.84 h0.64; SYMBOL_PART_DIM "0" at 318.973,345.211 h0.64; SYMBOL_PART_DIM "0" at 321.107,347.015 h0.64
C23: PIN_NUMBER "1" at 319.075,346.075 h0.51; PIN_NUMBER "2" at 318.059,346.075 h0.51; ASSEMBLY_BOTTOM "0.01uF" at 318.77,346.075 h0.64; ASSEMBLY_BOTTOM "TOLERANCE" at 318.77,343.535 h0.64; ASSEMBLY_BOTTOM "USERPART#" at 318.77,342.265 h0.64; SYMBOL_PART_DIM "PAD 35X32 OV" at 321.894,341.3 h0.64; SYMBOL_PART_DIM "C402-35X32" at 321.894,342.57 h0.64; SYMBOL_PART_DIM "0" at 318.973,343.941 h0.64; SYMBOL_PART_DIM "0" at 321.107,345.745 h0.64
C24: PIN_NUMBER "1" at 318.364,343.916 h0.51; PIN_NUMBER "2" at 316.84,343.916 h0.51; SYMB_DIM "PAD 35X45OV" at 322.199,339.09 h1.02; SYMB_DIM "SM  43X53OV" at 322.199,337.185 h1.02; SYMB_DIM "SP  35X45OV" at 322.199,335.407 h1.02; SYMB_DIM "C603-35X45" at 321.945,347.98 h1.02; SYMB_DIM "0" at 318.643,340.741 h1.02; SYMB_DIM "0" at 321.691,343.662 h1.02; ASSEMBLY_BOTTOM "1uF" at 318.643,343.789 h1.02; ASSEMBLY_BOTTOM "X" at 317.754,343.789 h1.02; ASSEMBLY_BOTTOM "X" at 316.865,343.916 h1.02
C25: PIN_NUMBER "1" at 436.423,281.686 h0.51; PIN_NUMBER "2" at 437.439,281.686 h0.51; ASSEMBLY_TOP "0.1uF" at 437.134,281.686 h0.64; ASSEMBLY_TOP "TOLERANCE" at 437.134,279.146 h0.64; ASSEMBLY_TOP "USERPART#" at 437.134,277.876 h0.64; SYMBOL_PART_DIM "PAD 35X32 OV" at 434.01,276.911 h0.64; SYMBOL_PART_DIM "C402-35X32" at 434.01,278.181 h0.64; SYMBOL_PART_DIM "0" at 436.931,279.552 h0.64; SYMBOL_PART_DIM "0" at 434.797,281.356 h0.64
C26: PIN_NUMBER "1" at 315.392,347.472 h0.51 r270; PIN_NUMBER "2" at 315.392,348.488 h0.51 r270; ASSEMBLY_BOTTOM "NO-POP" at 315.595,347.98 h0.64 r270; ASSEMBLY_BOTTOM "TOLERANCE" at 313.055,347.98 h0.64 r270; ASSEMBLY_BOTTOM "USERPART#" at 311.785,347.98 h0.64 r270; SYMBOL_PART_DIM "PAD 35X32 OV" at 310.82,344.856 h0.64 r270; SYMBOL_PART_DIM "C402-35X32" at 312.09,344.856 h0.64 r270; SYMBOL_PART_DIM "0" at 313.461,347.777 h0.64 r270; SYMBOL_PART_DIM "0" at 315.265,345.643 h0.64 r270
C27: PIN_NUMBER "1" at 315.443,347.345 h0.51 r90; PIN_NUMBER "2" at 315.443,348.869 h0.51 r90; ASSEMBLY_TOP "X" at 315.976,348.361 h1.02 r90; ASSEMBLY_TOP "X" at 315.849,349.25 h1.02 r90; SYMB_DIM "PAD 35X45OV" at 320.675,343.916 h1.02 r90; SYMB_DIM "SM  43X53OV" at 322.58,343.916 h1.02 r90; SYMB_DIM "SP  35X45OV" at 324.358,343.916 h1.02 r90; SYMB_DIM "C603-35X45" at 311.785,344.17 h1.02 r90; SYMB_DIM "0" at 319.024,347.472 h1.02 r90; SYMB_DIM "0" at 316.103,344.424 h1.02 r90
C28: PIN_NUMBER "1" at 282.169,373.761 h1.02 r270; PIN_NUMBER "2" at 282.169,376.809 h1.02 r270; SYMB_DIM "PAD 40X70OV" at 272.39,378.079 h1.02 r270; SYMB_DIM "SM  48X78" at 271.297,376.809 h1.02 r270; SYMB_DIM "SP  40X70OV" at 268.58,378.079 h1.02 r270; SYMB_DIM "C1206-40X70" at 283.312,377.825 h1.02 r270; SYMB_DIM "0" at 278.765,374.65 h1.02 r270; SYMB_DIM "0" at 281.94,370.84 h1.02 r270; ASSEMBLY_BOTTOM "10uF" at 282.194,374.396 h1.02 r270; ASSEMBLY_BOTTOM "X" at 282.194,375.285 h1.02 r270; ASSEMBLY_BOTTOM "X" at 282.194,376.301 h1.02 r270; ASSEMBLY_BOTTOM "+" at 282.194,372.364 h1.02 r270; Bottom Overlay "+" at 283.464,372.618 h0.89 r270
C29: PIN_NUMBER "1" at 292.964,377.19 h1.02 r270; PIN_NUMBER "2" at 291.694,368.935 h1.02 r270; ASSEMBLY_TOP "100uF" at 290.957,375.158 h1.02 r270; ASSEMBLY_TOP "X" at 290.957,374.015 h1.02 r270; ASSEMBLY_TOP "X" at 290.957,372.745 h1.02 r270; SYMB_DIM "PAD 84X118REC" at 285.115,379.73 h1.02 r270; SYMB_DIM "SM  92X126REC" at 283.21,379.73 h1.02 r270; SYMB_DIM "SP  84X118REC" at 281.305,379.73 h1.02 r270; SYMB_DIM "C7343-84X118" at 302.895,379.73 h1.02 r270; SYMB_DIM "0" at 287.147,372.618 h1.02 r270; SYMB_DIM "0" at 292.227,379.857 h1.02 r270
C30: PIN_NUMBER "1" at 287.579,375.92 h0.51 r180; PIN_NUMBER "2" at 288.595,375.92 h0.51 r180; ASSEMBLY_BOTTOM "0.1uF" at 288.29,375.92 h0.64 r180; ASSEMBLY_BOTTOM "TOLERANCE" at 288.29,378.46 h0.64 r180; ASSEMBLY_BOTTOM "USERPART#" at 288.29,379.73 h0.64 r180; SYMBOL_PART_DIM "PAD 35X32 OV" at 285.166,380.695 h0.64 r180; SYMBOL_PART_DIM "C402-35X32" at 285.166,379.425 h0.64 r180; SYMBOL_PART_DIM "0" at 288.087,378.054 h0.64 r180; SYMBOL_PART_DIM "0" at 285.953,376.25 h0.64 r180
C31: PIN_NUMBER "1" at 308.534,343.154 h0.51 r270; PIN_NUMBER "2" at 308.534,342.138 h0.51 r270; ASSEMBLY_TOP "0.001uF" at 308.737,342.646 h0.64 r270; ASSEMBLY_TOP "TOLERANCE" at 306.197,342.646 h0.64 r270; ASSEMBLY_TOP "USERPART#" at 304.927,342.646 h0.64 r270; SYMBOL_PART_DIM "PAD 35X32 OV" at 303.962,345.77 h0.64 r270; SYMBOL_PART_DIM "C402-35X32" at 305.232,345.77 h0.64 r270; SYMBOL_PART_DIM "0" at 306.603,342.849 h0.64 r270; SYMBOL_PART_DIM "0" at 308.407,344.983 h0.64 r270
C32: PIN_NUMBER "1" at 312.852,341.63 h0.51 r90; PIN_NUMBER "2" at 312.852,340.614 h0.51 r90; ASSEMBLY_BOTTOM "0.1uF" at 313.055,341.122 h0.64 r90; ASSEMBLY_BOTTOM "TOLERANCE" at 315.595,341.122 h0.64 r90; ASSEMBLY_BOTTOM "USERPART#" at 316.865,341.122 h0.64 r90; SYMBOL_PART_DIM "PAD 35X32 OV" at 317.83,344.246 h0.64 r90; SYMBOL_PART_DIM "C402-35X32" at 316.56,344.246 h0.64 r90; SYMBOL_PART_DIM "0" at 315.189,341.325 h0.64 r90; SYMBOL_PART_DIM "0" at 313.385,343.459 h0.64 r90
C33: PIN_NUMBER "1" at 311.582,341.63 h0.51 r90; PIN_NUMBER "2" at 311.582,340.614 h0.51 r90; ASSEMBLY_BOTTOM "0.01uF" at 311.785,341.122 h0.64 r90; ASSEMBLY_BOTTOM "TOLERANCE" at 314.325,341.122 h0.64 r90; ASSEMBLY_BOTTOM "USERPART#" at 315.595,341.122 h0.64 r90; SYMBOL_PART_DIM "PAD 35X32 OV" at 316.56,344.246 h0.64 r90; SYMBOL_PART_DIM "C402-35X32" at 315.29,344.246 h0.64 r90; SYMBOL_PART_DIM "0" at 313.919,341.325 h0.64 r90; SYMBOL_PART_DIM "0" at 312.115,343.459 h0.64 r90
C34: PIN_NUMBER "1" at 308.204,343.789 h0.51 r90; PIN_NUMBER "2" at 308.204,342.265 h0.51 r90; SYMB_DIM "PAD 35X45OV" at 313.436,347.218 h1.02 r90; SYMB_DIM "SM  43X53OV" at 315.341,347.218 h1.02 r90; SYMB_DIM "SP  35X45OV" at 317.119,347.218 h1.02 r90; SYMB_DIM "C603-35X45" at 304.546,346.964 h1.02 r90; SYMB_DIM "0" at 311.785,343.662 h1.02 r90; SYMB_DIM "0" at 308.864,346.71 h1.02 r90; ASSEMBLY_BOTTOM "1uF" at 308.737,343.662 h1.02 r90; ASSEMBLY_BOTTOM "X" at 308.737,342.773 h1.02 r90; ASSEMBLY_BOTTOM "X" at 308.61,341.884 h1.02 r90
C35: PIN_NUMBER "1" at 310.312,349.758 h0.51 r90; PIN_NUMBER "2" at 310.312,350.774 h0.51 r90; ASSEMBLY_TOP "0.001uF" at 310.515,350.266 h0.64 r90; ASSEMBLY_TOP "TOLERANCE" at 313.055,350.266 h0.64 r90; ASSEMBLY_TOP "USERPART#" at 314.325,350.266 h0.64 r90; SYMBOL_PART_DIM "PAD 35X32 OV" at 315.29,347.142 h0.64 r90; SYMBOL_PART_DIM "C402-35X32" at 314.02,347.142 h0.64 r90; SYMBOL_PART_DIM "0" at 312.649,350.063 h0.64 r90; SYMBOL_PART_DIM "0" at 310.845,347.929 h0.64 r90
C36: PIN_NUMBER "1" at 310.312,348.234 h0.51 r270; PIN_NUMBER "2" at 310.312,347.218 h0.51 r270; ASSEMBLY_TOP "0.1uF" at 310.515,347.726 h0.64 r270; ASSEMBLY_TOP "TOLERANCE" at 307.975,347.726 h0.64 r270; ASSEMBLY_TOP "USERPART#" at 306.705,347.726 h0.64 r270; SYMBOL_PART_DIM "PAD 35X32 OV" at 305.74,350.85 h0.64 r270; SYMBOL_PART_DIM "C402-35X32" at 307.01,350.85 h0.64 r270; SYMBOL_PART_DIM "0" at 308.381,347.929 h0.64 r270; SYMBOL_PART_DIM "0" at 310.185,350.063 h0.64 r270
C37: PIN_NUMBER "1" at 309.55,350.012 h0.51 r270; PIN_NUMBER "2" at 309.55,351.028 h0.51 r270; ASSEMBLY_BOTTOM "0.01uF" at 309.753,350.52 h0.64 r270; ASSEMBLY_BOTTOM "TOLERANCE" at 307.213,350.52 h0.64 r270; ASSEMBLY_BOTTOM "USERPART#" at 305.943,350.52 h0.64 r270; SYMBOL_PART_DIM "PAD 35X32 OV" at 304.978,347.396 h0.64 r270; SYMBOL_PART_DIM "C402-35X32" at 306.248,347.396 h0.64 r270; SYMBOL_PART_DIM "0" at 307.619,350.317 h0.64 r270; SYMBOL_PART_DIM "0" at 309.423,348.183 h0.64 r270
C38: PIN_NUMBER "1" at 310.744,348.488 h0.51 r90; PIN_NUMBER "2" at 310.744,346.964 h0.51 r90; SYMB_DIM "PAD 35X45OV" at 315.976,351.917 h1.02 r90; SYMB_DIM "SM  43X53OV" at 317.881,351.917 h1.02 r90; SYMB_DIM "SP  35X45OV" at 319.659,351.917 h1.02 r90; SYMB_DIM "C603-35X45" at 307.086,351.663 h1.02 r90; SYMB_DIM "0" at 314.325,348.361 h1.02 r90; SYMB_DIM "0" at 311.404,351.409 h1.02 r90; ASSEMBLY_BOTTOM "1uF" at 311.277,348.361 h1.02 r90; ASSEMBLY_BOTTOM "X" at 311.277,347.472 h1.02 r90; ASSEMBLY_BOTTOM "X" at 311.15,346.583 h1.02 r90
C39: PIN_NUMBER "1" at 312.09,321.183 h0.51 r180; PIN_NUMBER "2" at 313.106,321.183 h0.51 r180; ASSEMBLY_BOTTOM "TOLERANCE" at 312.801,323.723 h0.64 r180; ASSEMBLY_BOTTOM "USERPART#" at 312.801,324.993 h0.64 r180; SYMBOL_PART_DIM "PAD 35X32 OV" at 309.677,325.958 h0.64 r180; SYMBOL_PART_DIM "C402-35X32" at 309.677,324.688 h0.64 r180; SYMBOL_PART_DIM "0" at 312.598,323.317 h0.64 r180; SYMBOL_PART_DIM "0" at 310.464,321.513 h0.64 r180
C40: PIN_NUMBER "1" at 316.027,310.388 h0.51 r90; PIN_NUMBER "2" at 316.027,309.372 h0.51 r90; ASSEMBLY_BOTTOM "0.1uF" at 316.23,309.88 h0.64 r90; ASSEMBLY_BOTTOM "TOLERANCE" at 318.77,309.88 h0.64 r90; ASSEMBLY_BOTTOM "USERPART#" at 320.04,309.88 h0.64 r90; SYMBOL_PART_DIM "PAD 35X32 OV" at 321.005,313.004 h0.64 r90; SYMBOL_PART_DIM "C402-35X32" at 319.735,313.004 h0.64 r90; SYMBOL_PART_DIM "0" at 318.364,310.083 h0.64 r90; SYMBOL_PART_DIM "0" at 316.56,312.217 h0.64 r90
C41: PIN_NUMBER "1" at 323.012,310.388 h0.51 r90; PIN_NUMBER "2" at 323.012,309.372 h0.51 r90; ASSEMBLY_BOTTOM "0.1uF" at 323.215,309.88 h0.64 r90; ASSEMBLY_BOTTOM "TOLERANCE" at 325.755,309.88 h0.64 r90; ASSEMBLY_BOTTOM "USERPART#" at 327.025,309.88 h0.64 r90; SYMBOL_PART_DIM "PAD 35X32 OV" at 327.99,313.004 h0.64 r90; SYMBOL_PART_DIM "C402-35X32" at 326.72,313.004 h0.64 r90; SYMBOL_PART_DIM "0" at 325.349,310.083 h0.64 r90; SYMBOL_PART_DIM "0" at 323.545,312.217 h0.64 r90
C42: PIN_NUMBER "1" at 329.997,310.388 h0.51 r90; PIN_NUMBER "2" at 329.997,309.372 h0.51 r90; ASSEMBLY_BOTTOM "0.1uF" at 330.2,309.88 h0.64 r90; ASSEMBLY_BOTTOM "TOLERANCE" at 332.74,309.88 h0.64 r90; ASSEMBLY_BOTTOM "USERPART#" at 334.01,309.88 h0.64 r90; SYMBOL_PART_DIM "PAD 35X32 OV" at 334.975,313.004 h0.64 r90; SYMBOL_PART_DIM "C402-35X32" at 333.705,313.004 h0.64 r90; SYMBOL_PART_DIM "0" at 332.334,310.083 h0.64 r90; SYMBOL_PART_DIM "0" at 330.53,312.217 h0.64 r90
C43: PIN_NUMBER "1" at 336.982,310.388 h0.51 r90; PIN_NUMBER "2" at 336.982,309.372 h0.51 r90; ASSEMBLY_BOTTOM "0.1uF" at 337.185,309.88 h0.64 r90; ASSEMBLY_BOTTOM "TOLERANCE" at 339.725,309.88 h0.64 r90; ASSEMBLY_BOTTOM "USERPART#" at 340.995,309.88 h0.64 r90; SYMBOL_PART_DIM "PAD 35X32 OV" at 341.96,313.004 h0.64 r90; SYMBOL_PART_DIM "C402-35X32" at 340.69,313.004 h0.64 r90; SYMBOL_PART_DIM "0" at 339.319,310.083 h0.64 r90; SYMBOL_PART_DIM "0" at 337.515,312.217 h0.64 r90
C44: PIN_NUMBER "1" at 307.772,325.501 h0.51; PIN_NUMBER "2" at 308.788,325.501 h0.51; ASSEMBLY_TOP "0.1uF" at 308.483,325.501 h0.64; ASSEMBLY_TOP "TOLERANCE" at 308.483,322.961 h0.64; ASSEMBLY_TOP "USERPART#" at 308.483,321.691 h0.64; SYMBOL_PART_DIM "PAD 35X32 OV" at 305.359,320.726 h0.64; SYMBOL_PART_DIM "C402-35X32" at 305.359,321.996 h0.64; SYMBOL_PART_DIM "0" at 308.28,323.367 h0.64; SYMBOL_PART_DIM "0" at 306.146,325.171 h0.64
C45: PIN_NUMBER "1" at 307.772,327.025 h0.51; PIN_NUMBER "2" at 308.788,327.025 h0.51; ASSEMBLY_TOP "0.01uF" at 308.483,327.025 h0.64; ASSEMBLY_TOP "TOLERANCE" at 308.483,324.485 h0.64; ASSEMBLY_TOP "USERPART#" at 308.483,323.215 h0.64; SYMBOL_PART_DIM "PAD 35X32 OV" at 305.359,322.25 h0.64; SYMBOL_PART_DIM "C402-35X32" at 305.359,323.52 h0.64; SYMBOL_PART_DIM "0" at 308.28,324.891 h0.64; SYMBOL_PART_DIM "0" at 306.146,326.695 h0.64
C46: PIN_NUMBER "1" at 308.204,329.311 h0.51; PIN_NUMBER "2" at 306.68,329.311 h0.51; SYMB_DIM "PAD 35X45OV" at 312.039,324.485 h1.02; SYMB_DIM "SM  43X53OV" at 312.039,322.58 h1.02; SYMB_DIM "SP  35X45OV" at 312.039,320.802 h1.02; SYMB_DIM "C603-35X45" at 311.785,333.375 h1.02; SYMB_DIM "0" at 308.483,326.136 h1.02; SYMB_DIM "0" at 311.531,329.057 h1.02; ASSEMBLY_BOTTOM "18 pF" at 308.483,329.184 h1.02; ASSEMBLY_BOTTOM "X" at 307.594,329.184 h1.02; ASSEMBLY_BOTTOM "X" at 306.705,329.311 h1.02
C47: PIN_NUMBER "1" at 308.204,331.216 h0.51; PIN_NUMBER "2" at 306.68,331.216 h0.51; SYMB_DIM "PAD 35X45OV" at 312.039,326.39 h1.02; SYMB_DIM "SM  43X53OV" at 312.039,324.485 h1.02; SYMB_DIM "SP  35X45OV" at 312.039,322.707 h1.02; SYMB_DIM "C603-35X45" at 311.785,335.28 h1.02; SYMB_DIM "0" at 308.483,328.041 h1.02; SYMB_DIM "0" at 311.531,330.962 h1.02; ASSEMBLY_BOTTOM "18 pF" at 308.483,331.089 h1.02; ASSEMBLY_BOTTOM "X" at 307.594,331.089 h1.02; ASSEMBLY_BOTTOM "X" at 306.705,331.216 h1.02
C48: PIN_NUMBER "2" at 303.378,337.439 h0.51 r270; PIN_NUMBER "1" at 303.378,335.915 h0.51 r270; SYMB_DIM "PAD 35X45OV" at 298.958,332.486 h1.02 r270; SYMB_DIM "SM  43X53OV" at 297.053,332.486 h1.02 r270; SYMB_DIM "SP  35X45OV" at 295.275,332.486 h1.02 r270; SYMB_DIM "C603-35X45" at 307.848,332.74 h1.02 r270; SYMB_DIM "0" at 300.609,336.042 h1.02 r270; SYMB_DIM "0" at 303.53,332.994 h1.02 r270; ASSEMBLY_BOTTOM "18 pF" at 303.657,336.042 h1.02 r270; ASSEMBLY_BOTTOM "X" at 303.657,336.931 h1.02 r270; ASSEMBLY_BOTTOM "X" at 303.784,337.82 h1.02 r270
C49: PIN_NUMBER "2" at 307.188,337.439 h0.51 r270; PIN_NUMBER "1" at 307.188,335.915 h0.51 r270; SYMB_DIM "PAD 35X45OV" at 302.768,332.486 h1.02 r270; SYMB_DIM "SM  43X53OV" at 300.863,332.486 h1.02 r270; SYMB_DIM "SP  35X45OV" at 299.085,332.486 h1.02 r270; SYMB_DIM "C603-35X45" at 311.658,332.74 h1.02 r270; SYMB_DIM "0" at 304.419,336.042 h1.02 r270; SYMB_DIM "0" at 307.34,332.994 h1.02 r270; ASSEMBLY_BOTTOM "18 pF" at 307.467,336.042 h1.02 r270; ASSEMBLY_BOTTOM "X" at 307.467,336.931 h1.02 r270; ASSEMBLY_BOTTOM "X" at 307.594,337.82 h1.02 r270
C50: PIN_NUMBER "1" at 305.029,333.629 h0.51 r180; PIN_NUMBER "2" at 303.505,333.629 h0.51 r180; ASSEMBLY_TOP "22pF" at 305.308,333.756 h1.02 r180; ASSEMBLY_TOP "X" at 304.419,333.756 h1.02 r180; ASSEMBLY_TOP "X" at 303.53,333.629 h1.02 r180; SYMB_DIM "PAD 35X45OV" at 308.864,338.455 h1.02 r180; SYMB_DIM "SM  43X53OV" at 308.864,340.36 h1.02 r180; SYMB_DIM "SP  35X45OV" at 308.864,342.138 h1.02 r180; SYMB_DIM "C603-35X45" at 308.61,329.565 h1.02 r180; SYMB_DIM "0" at 305.308,336.804 h1.02 r180; SYMB_DIM "0" at 308.356,333.883 h1.02 r180
C51: PIN_NUMBER "1" at 305.867,326.644 h0.51 r90; PIN_NUMBER "2" at 305.867,325.628 h0.51 r90; ASSEMBLY_BOTTOM "0.1uF" at 306.07,326.136 h0.64 r90; ASSEMBLY_BOTTOM "TOLERANCE" at 308.61,326.136 h0.64 r90; ASSEMBLY_BOTTOM "USERPART#" at 309.88,326.136 h0.64 r90; SYMBOL_PART_DIM "PAD 35X32 OV" at 310.845,329.26 h0.64 r90; SYMBOL_PART_DIM "C402-35X32" at 309.575,329.26 h0.64 r90; SYMBOL_PART_DIM "0" at 308.204,326.339 h0.64 r90; SYMBOL_PART_DIM "0" at 306.4,328.473 h0.64 r90
C52: PIN_NUMBER "1" at 328.143,347.345 h0.51 r90; PIN_NUMBER "2" at 328.143,348.869 h0.51 r90; ASSEMBLY_TOP "1uF" at 328.676,347.472 h1.02 r90; ASSEMBLY_TOP "X" at 328.676,348.361 h1.02 r90; ASSEMBLY_TOP "X" at 328.549,349.25 h1.02 r90; SYMB_DIM "PAD 35X45OV" at 333.375,343.916 h1.02 r90; SYMB_DIM "SM  43X53OV" at 335.28,343.916 h1.02 r90; SYMB_DIM "SP  35X45OV" at 337.058,343.916 h1.02 r90; SYMB_DIM "C603-35X45" at 324.485,344.17 h1.02 r90; SYMB_DIM "0" at 331.724,347.472 h1.02 r90; SYMB_DIM "0" at 328.803,344.424 h1.02 r90
C53: PIN_NUMBER "1" at 319.126,334.01 h0.51; PIN_NUMBER "2" at 318.11,334.01 h0.51; ASSEMBLY_BOTTOM "0.01uF" at 318.821,334.01 h0.64; ASSEMBLY_BOTTOM "TOLERANCE" at 318.821,331.47 h0.64; ASSEMBLY_BOTTOM "USERPART#" at 318.821,330.2 h0.64; SYMBOL_PART_DIM "PAD 35X32 OV" at 321.945,329.235 h0.64; SYMBOL_PART_DIM "C402-35X32" at 321.945,330.505 h0.64; SYMBOL_PART_DIM "0" at 319.024,331.876 h0.64; SYMBOL_PART_DIM "0" at 321.158,333.68 h0.64
C54: PIN_NUMBER "1" at 325.171,334.01 h0.51 r180; PIN_NUMBER "2" at 326.187,334.01 h0.51 r180; ASSEMBLY_BOTTOM "0.1uF" at 325.882,334.01 h0.64 r180; ASSEMBLY_BOTTOM "TOLERANCE" at 325.882,336.55 h0.64 r180; ASSEMBLY_BOTTOM "USERPART#" at 325.882,337.82 h0.64 r180; SYMBOL_PART_DIM "PAD 35X32 OV" at 322.758,338.785 h0.64 r180; SYMBOL_PART_DIM "C402-35X32" at 322.758,337.515 h0.64 r180; SYMBOL_PART_DIM "0" at 325.679,336.144 h0.64 r180; SYMBOL_PART_DIM "0" at 323.545,334.34 h0.64 r180